# Altium PCB main.PcbDoc (part 1 of 3) (continued)
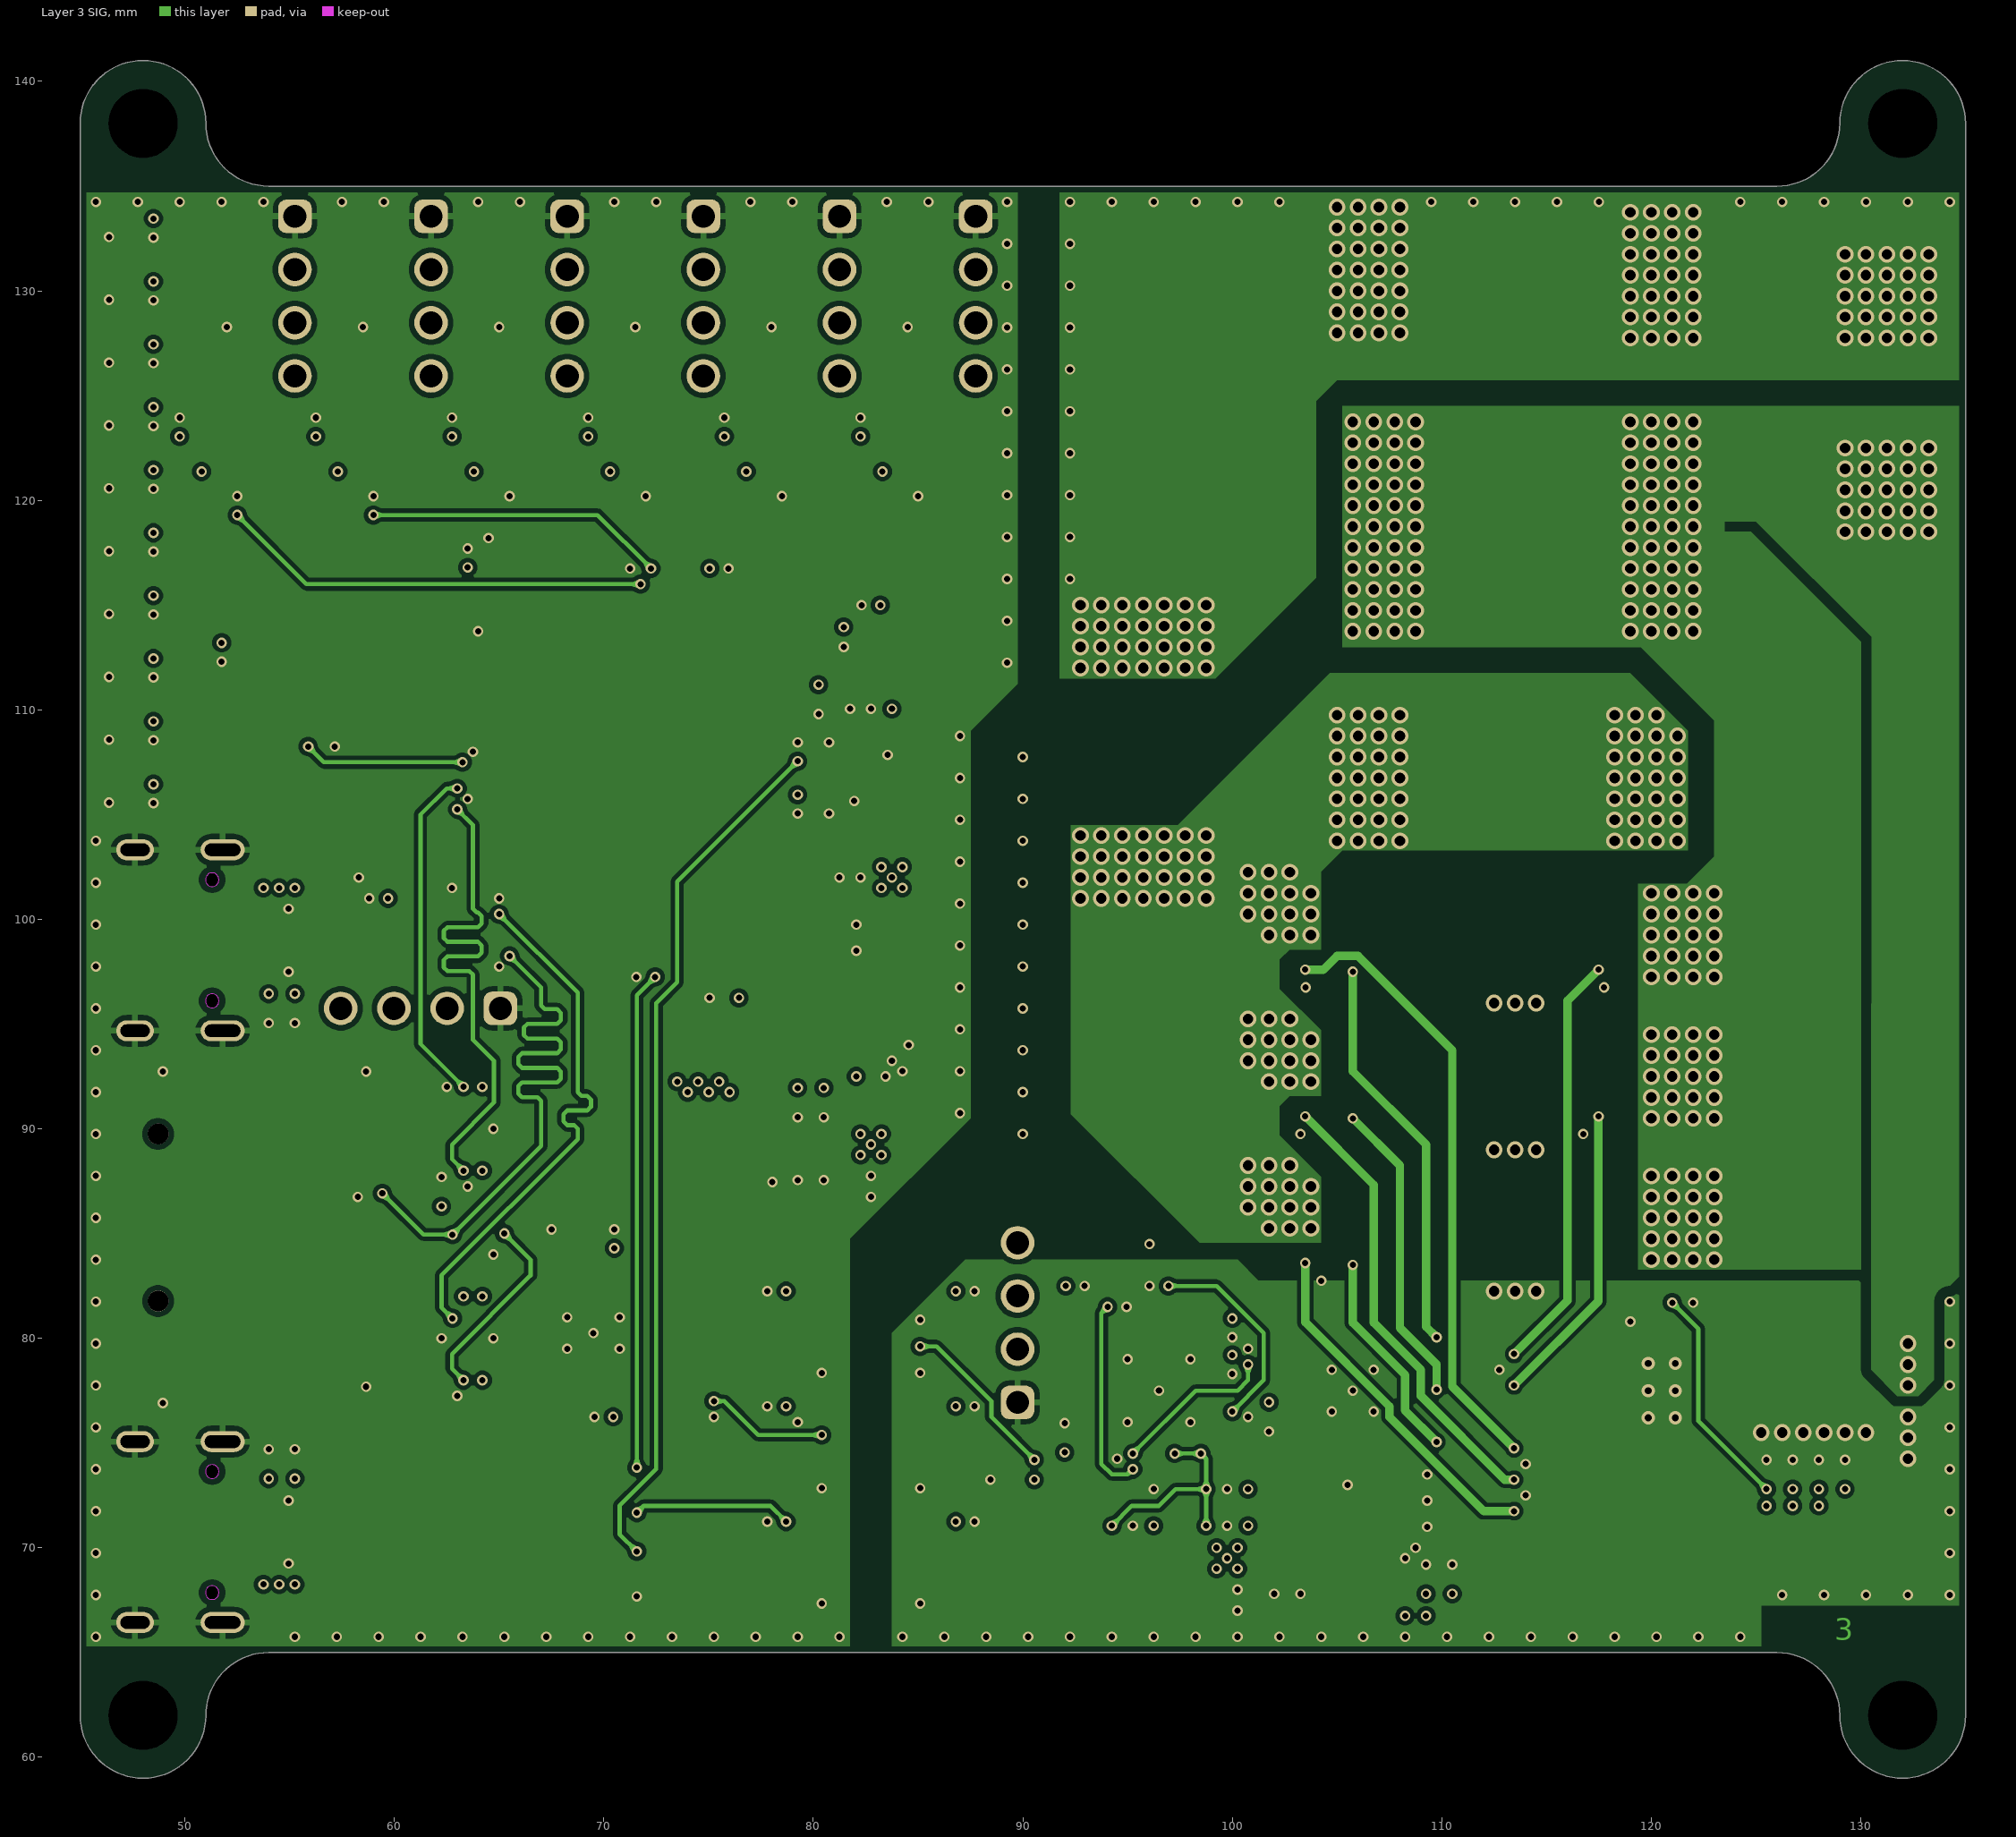
[diagram p3: Layer 3 SIG]
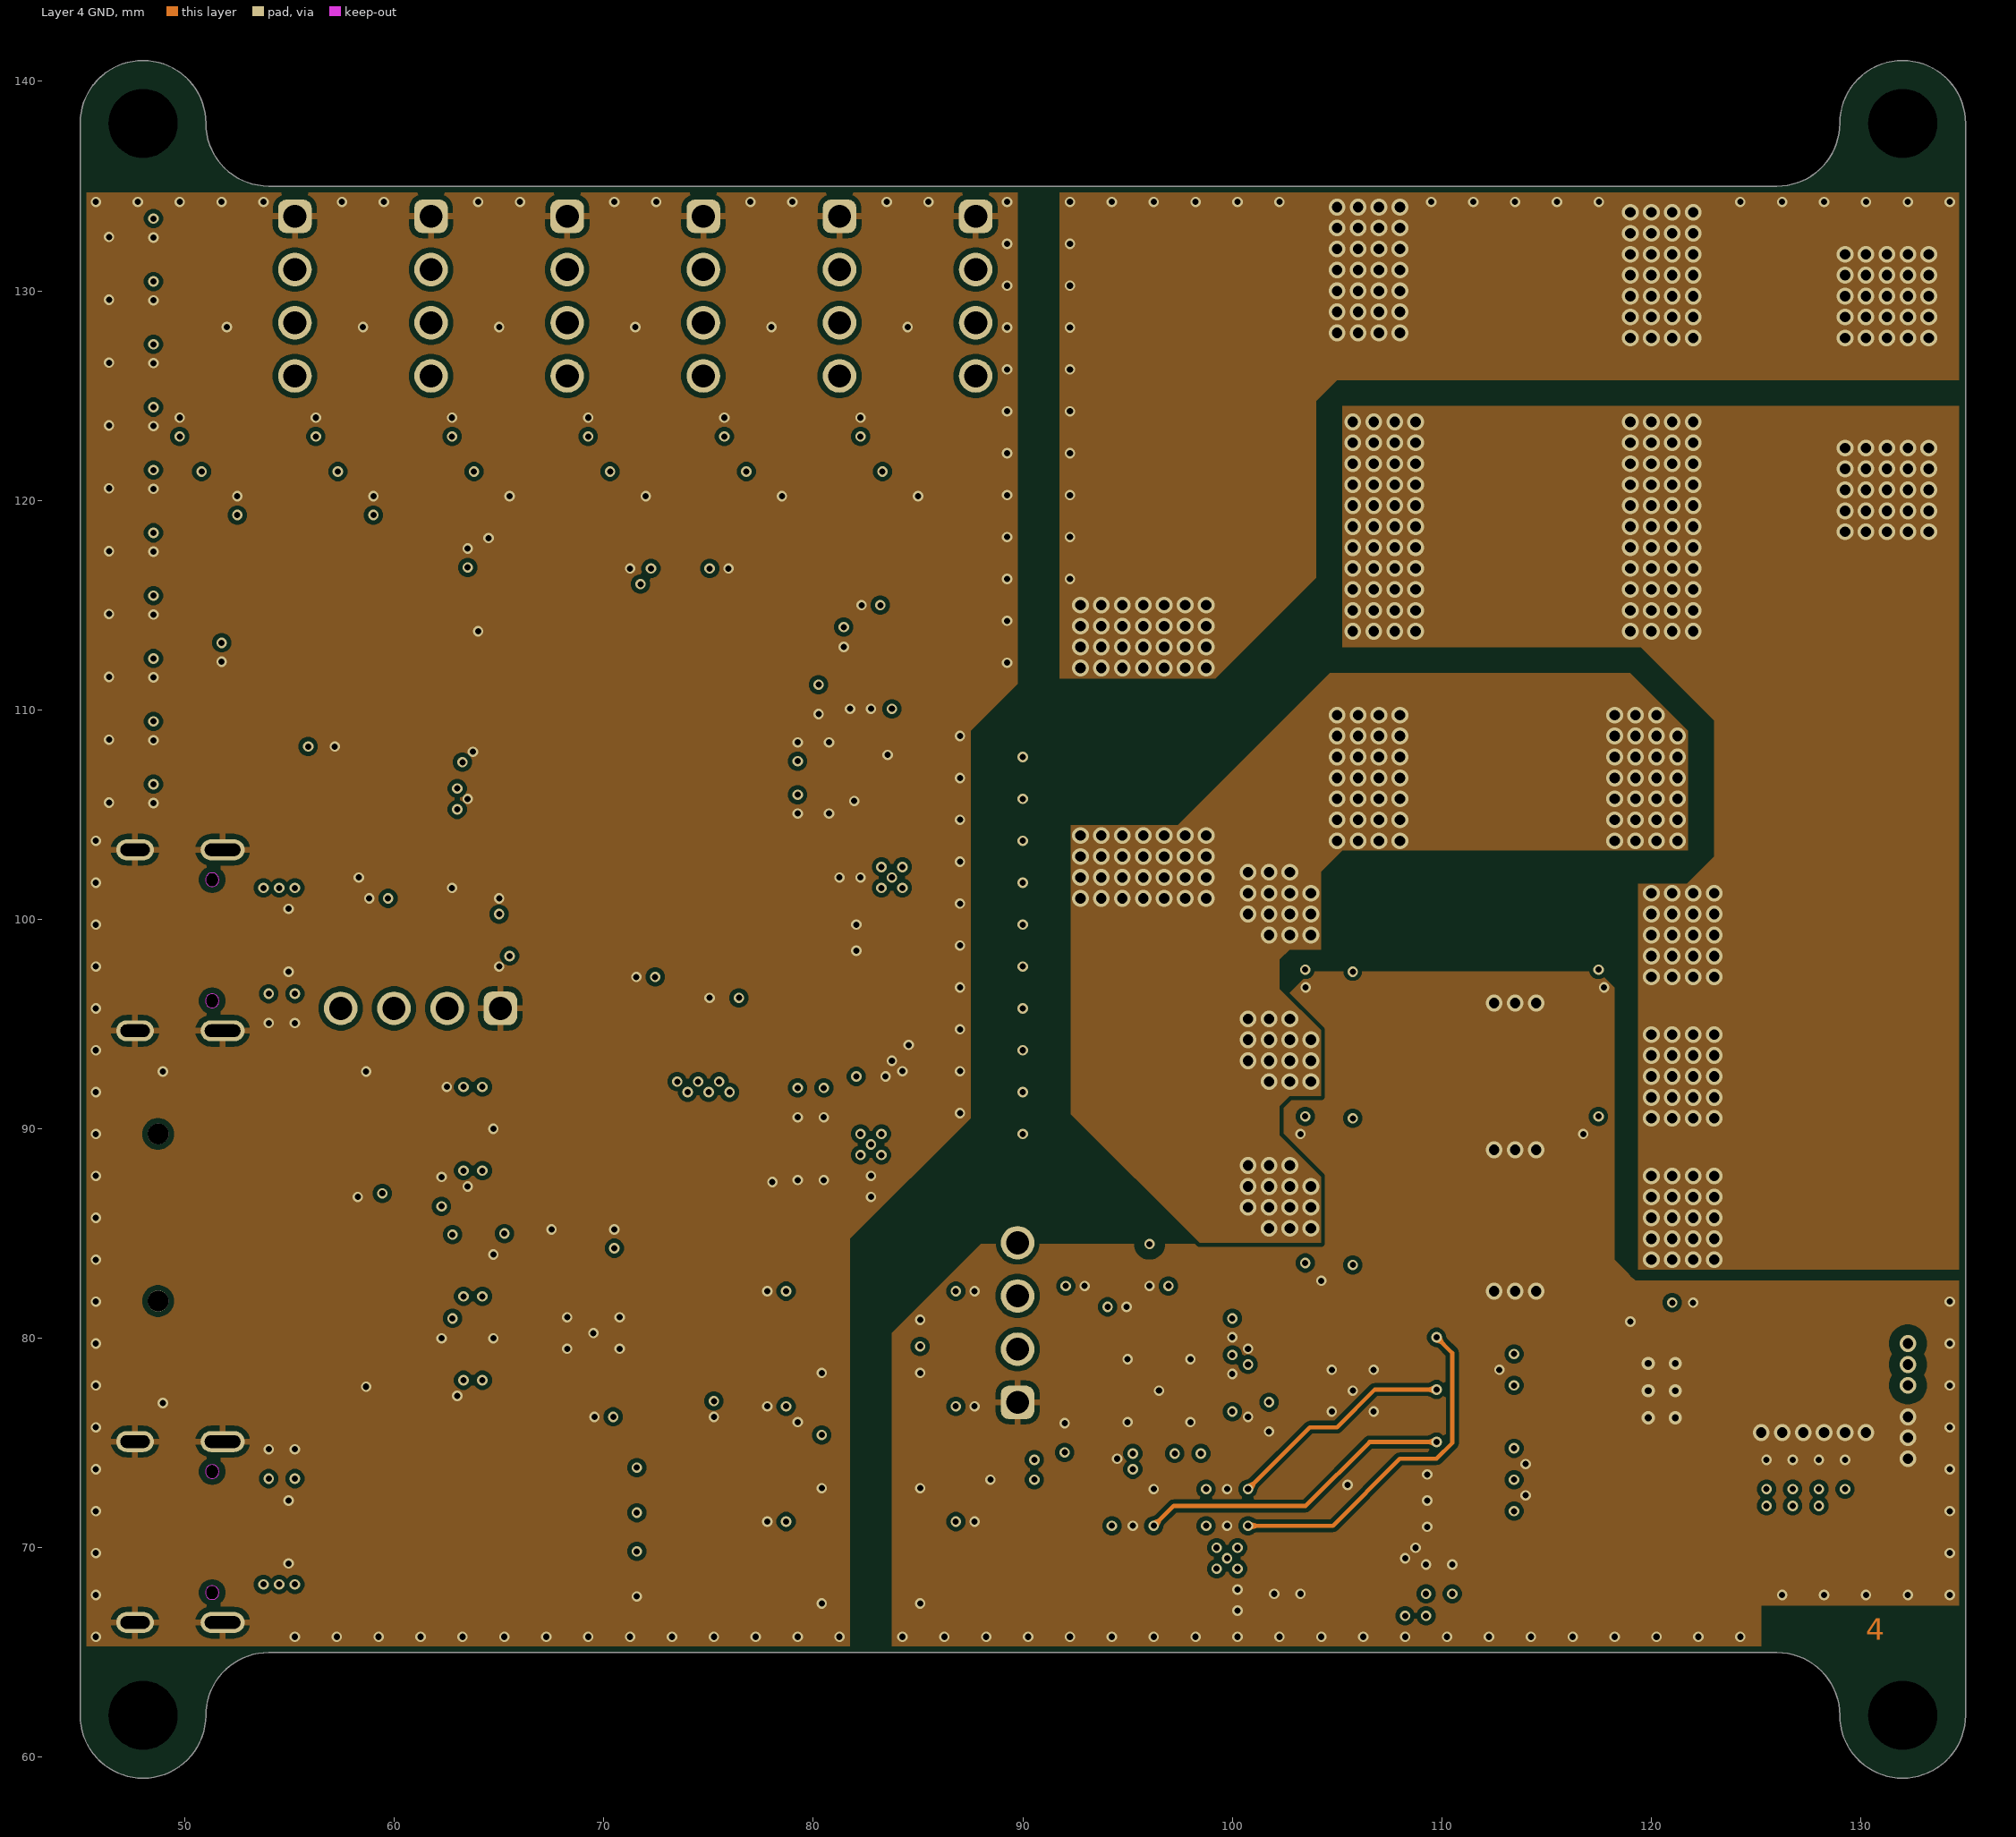
[diagram p4: Layer 4 GND]
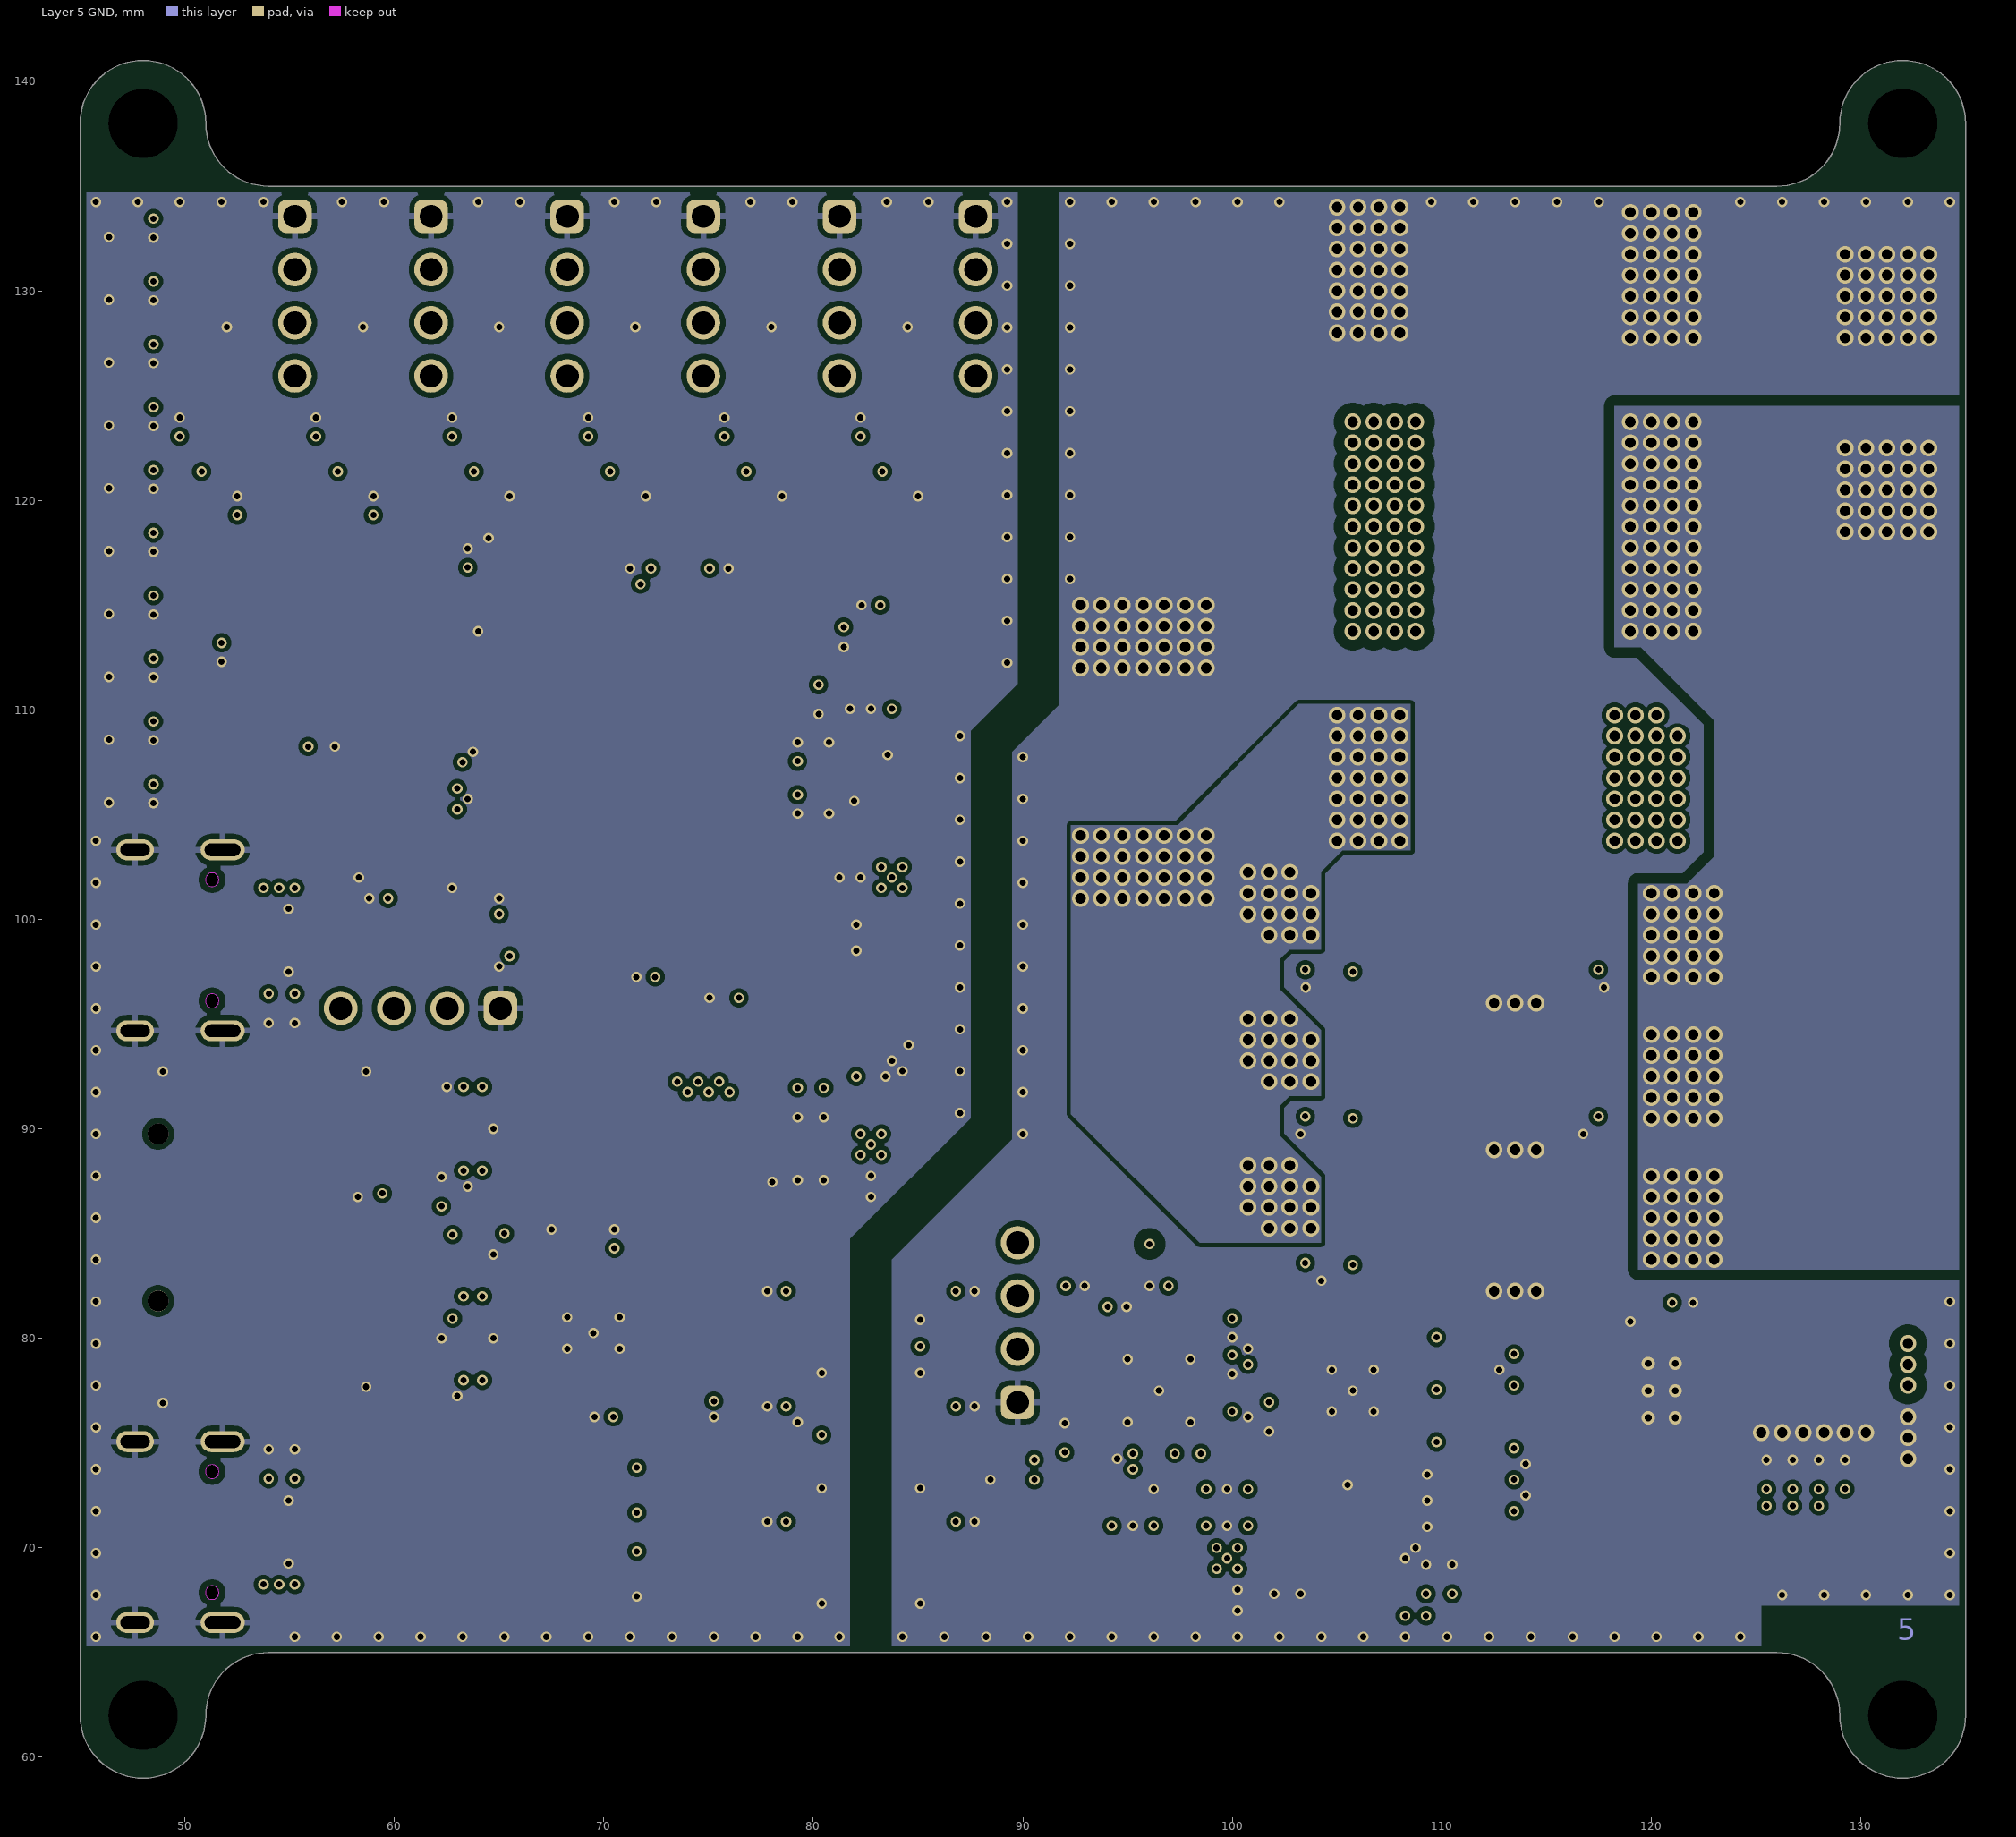
[diagram p5: Layer 5 GND]
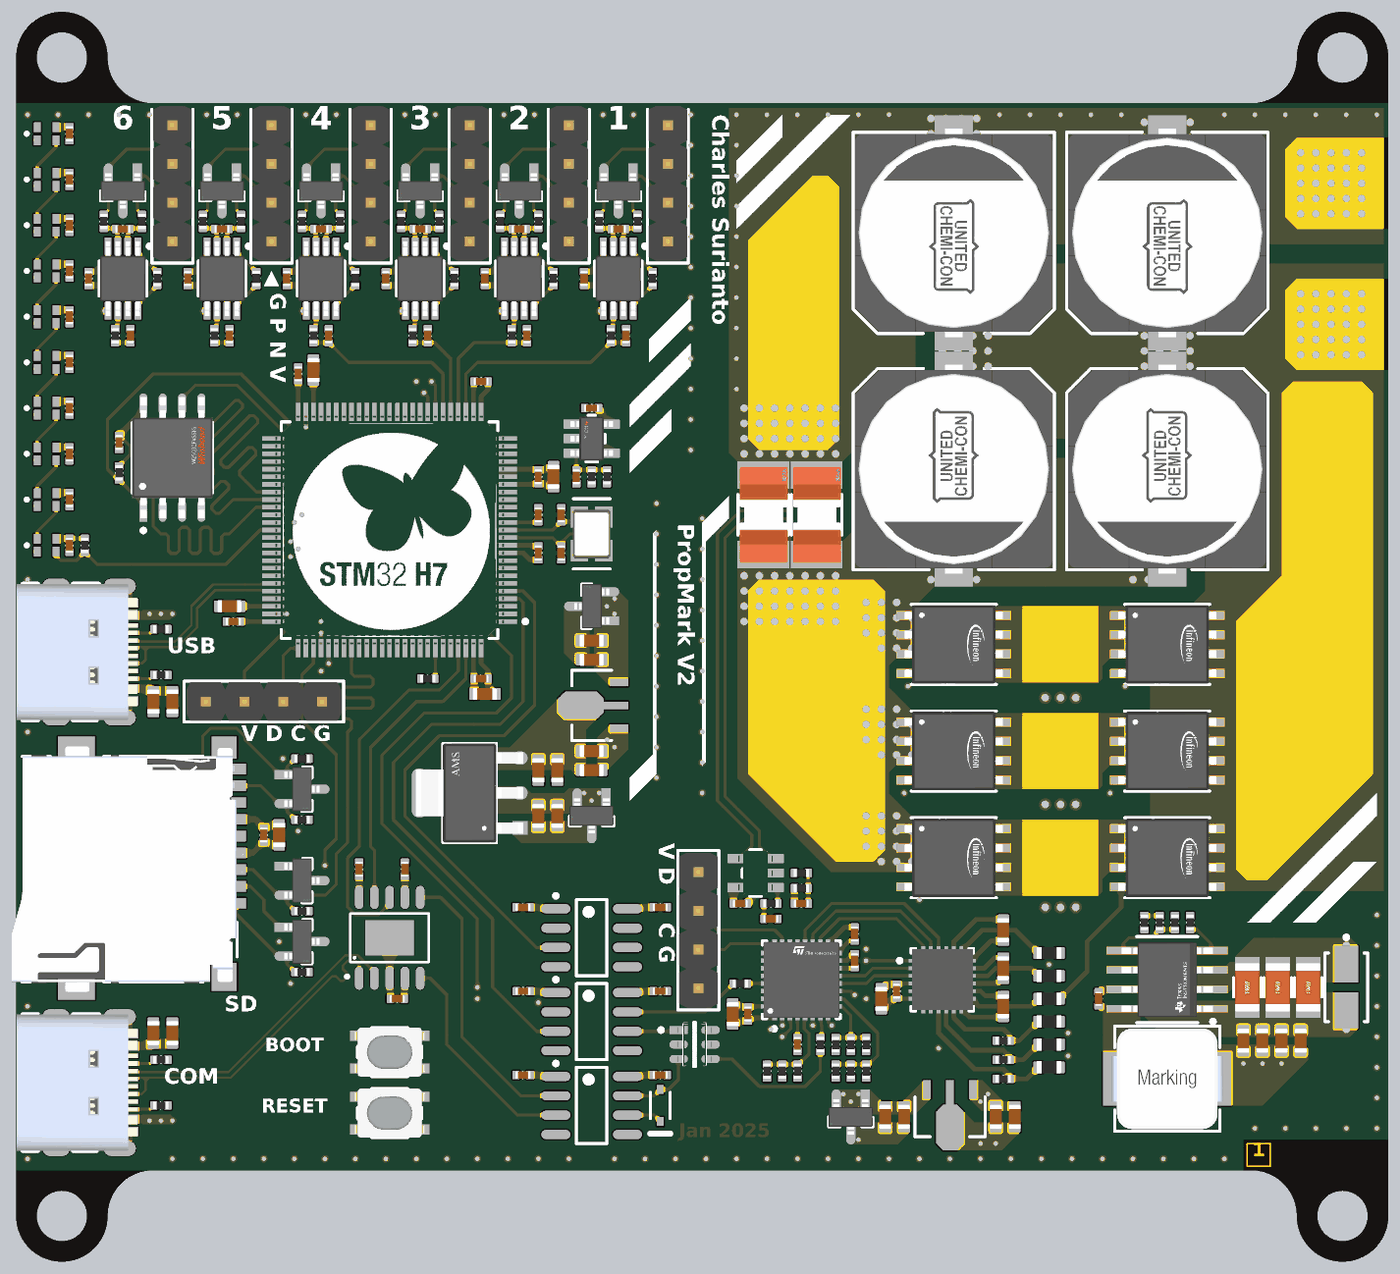
[diagram p8: 3D render of the assembled board from above, using the file's embedded part models]

## Layer stack, top to bottom
Top Solder: solder mask 0.0102, Solder Resist, Dk 3.5
Layer 1 SIG: signal copper 0.035
Prepreg 1: prepreg 0.0994, PP-006, Dk 4.1
Layer 2 GND: signal copper 0.0175
Core 1: prepreg 0.55, PP-006, Dk 4.6
Layer 3 SIG: signal copper 0.0175
Prepreg 2: prepreg 0.1088, FR-4, Dk 4.16
Layer 4 GND: signal copper 0.0175
Core 2: prepreg 0.55, PP-006, Dk 4.6
Layer 5 GND: signal copper 0.0175
Prepreg 3: prepreg 0.0994, PP-006, Dk 4.1
Layer 6 PWR: signal copper 0.035
Bottom Solder: solder mask 0.0102, Solder Resist, Dk 3.5

## Board outline
48,59 cw(c48,62) 45,62 45,138 cw(c48,138) 48,141 cw(c48,138) 51,138 ccw(c54,138) 54,135 126,135 ccw(c126,138) 129,138 cw(c132,138) 132,141 cw(c132,138) 135,138 135,62 cw(c132,62) 132,59 cw(c132,62) 129,62 ccw(c126,62) 126,65 54,65 ccw(c54,62) 51,62 cw(c48,62)

## Design rules (kind name [scope] priority, off if disabled: settings)
BoardOutlineClearance SolderOutlineClearance [OnLayer('Top Solder', 'Bottom Solder')] p1: gap=0 ignorepadtopadclearanceinfootprint=FALSE
BoardOutlineClearance [All] p2: gap=0.3 ignorepadtopadclearanceinfootprint=FALSE
Clearance "Power Clearance" [InNet('+BATT')] p1: gap=0.3 ignorepadtopadclearanceinfootprint=TRUE except(0.5: Arc-Fill Arc-Poly Arc-Region Track-Fill Track-Poly Track-Region SMDPad-Fill SMDPad-Poly SMDPad-Region THPad-Fill THPad-Poly THPad-Region Via-Fill Via-Poly Via-Region Fill-Fill Fill-Poly Fill-Region Poly-Poly Poly-Region Region-Region)
Clearance [All] p2: gap=0.2 ignorepadtopadclearanceinfootprint=TRUE except(0.25: Arc-THPad Arc-Text Arc-Hole Track-THPad Track-Text Track-Hole SMDPad-SMDPad SMDPad-THPad SMDPad-Text SMDPad-Hole THPad-THPad THPad-Via THPad-Fill THPad-Poly THPad-Region THPad-Text THPad-Hole Via-Text Via-Hole Fill-Text Fill-Hole Poly-Text Poly-Hole Region-Text Region-Hole Text-Text Text-Hole)
DiffPairsRouting [InDifferentialPair('USB_D', 'MCU_UART_D')] p1: maxlimit=1 minlimit=0.2 mostfreqgap=0.2 toplayer_maxgap=0.2 toplayer_minwidth=0.158 toplayer_maxwidth=0.158 toplayer_prefwidth=0.158 midlayer1_minwidth=0.381 midlayer1_maxwidth=0.381 midlayer1_prefwidth=0.381 midlayer2_minwidth=0.381 midlayer2_maxwidth=0.381 midlayer2_prefwidth=0.381 midlayer3_minwidth=0.381 midlayer3_maxwidth=0.381 midlayer3_prefwidth=0.381 midlayer4_minwidth=0.381 midlayer4_maxwidth=0.381 midlayer4_prefwidth=0.381 bottomlayer_maxgap=0.2 bottomlayer_minwidth=0.158 bottomlayer_maxwidth=0.158 bottomlayer_prefwidth=0.158 impedanceprofiledriven=TRUE maxuncoupledlength=12.7
HoleSize [All] p1: absolutevalues=TRUE maxlimit=5 minlimit=0.25 maxpercent=80.000 minpercent=20.000
MinimumSolderMaskSliver [All] p1: minsoldermaskwidth=0.05
PolygonConnect "Direct Mask PolygonConnect" [InComponent('P*', 'J*')] p1: connectstyle=Relief reliefconductorwidth=0.3 reliefentries=4 polygonreliefangle="90 Angle" airgapwidth=0.25
PolygonConnect "Direct PolygonConnect" [InNet('+BATT', 'VGND', 'PGND', 'GND', 'MOT_A', 'MOT_B', 'MOT_C', '+3.3 ESC', '+12 BUCK', 'BUCK_PH', '+3.3 D', '+5 USB', '+3.3 A')] p2: connectstyle=Direct reliefconductorwidth=0.254 reliefentries=4 polygonreliefangle="90 Angle" airgapwidth=0.254
PolygonConnect [All] p3: connectstyle=Relief reliefconductorwidth=0.254 reliefentries=4 polygonreliefangle="90 Angle" airgapwidth=0.254
RoutingVias [All] p1: holewidth=0.3 width=0.6 viastyle="Through Hole" minholewidth=0.3 minwidth=0.5 maxholewidth=1 maxwidth=2
SilkToSilkClearance [All] p1: silktosilkclearance=0
SilkToSolderMaskClearance [IsPad] p1: minsilkscreentomaskgap=0.1 clearancetoexposedcopper=TRUE
SolderMaskExpansion [All] p1: expansion=0.102 istentingtop=FALSE
SupplyNets "Schematic Supply Nets_11" [InNet('PGND')] p1: voltage=0.000
SupplyNets "Schematic Supply Nets_9" [InNet('+12 BUCK')] p2: voltage=0.000
SupplyNets "Schematic Supply Nets_7" [InNet('+1.65 REF')] p3: voltage=0.000
SupplyNets "Schematic Supply Nets_8" [InNet('+5 USB')] p4: voltage=0.000
SupplyNets "Schematic Supply Nets_4" [InNet('+3.3 A')] p5: voltage=0.000
SupplyNets "Schematic Supply Nets_3" [InNet('+3.3 D')] p6: voltage=0.000
SupplyNets "Schematic Supply Nets_5" [InNet('+3.3 ESC')] p7: voltage=0.000
SupplyNets "Schematic Supply Nets_2" [InNet('GND')] p8: voltage=0.000
SupplyNets "Schematic Supply Nets_1" [InNet('+BATT')] p9: voltage=0.000
Width [All] p1: maxlimit=1 minlimit=0.2 preferedwidth=0.2 minimp=50.000000 maximp=50.000000 favimp=50.000000
25 further rules are at their usual default settings.
